# Altium PCB UltraZohm_ADC.PcbDoc (part 2 of 4) (continued)
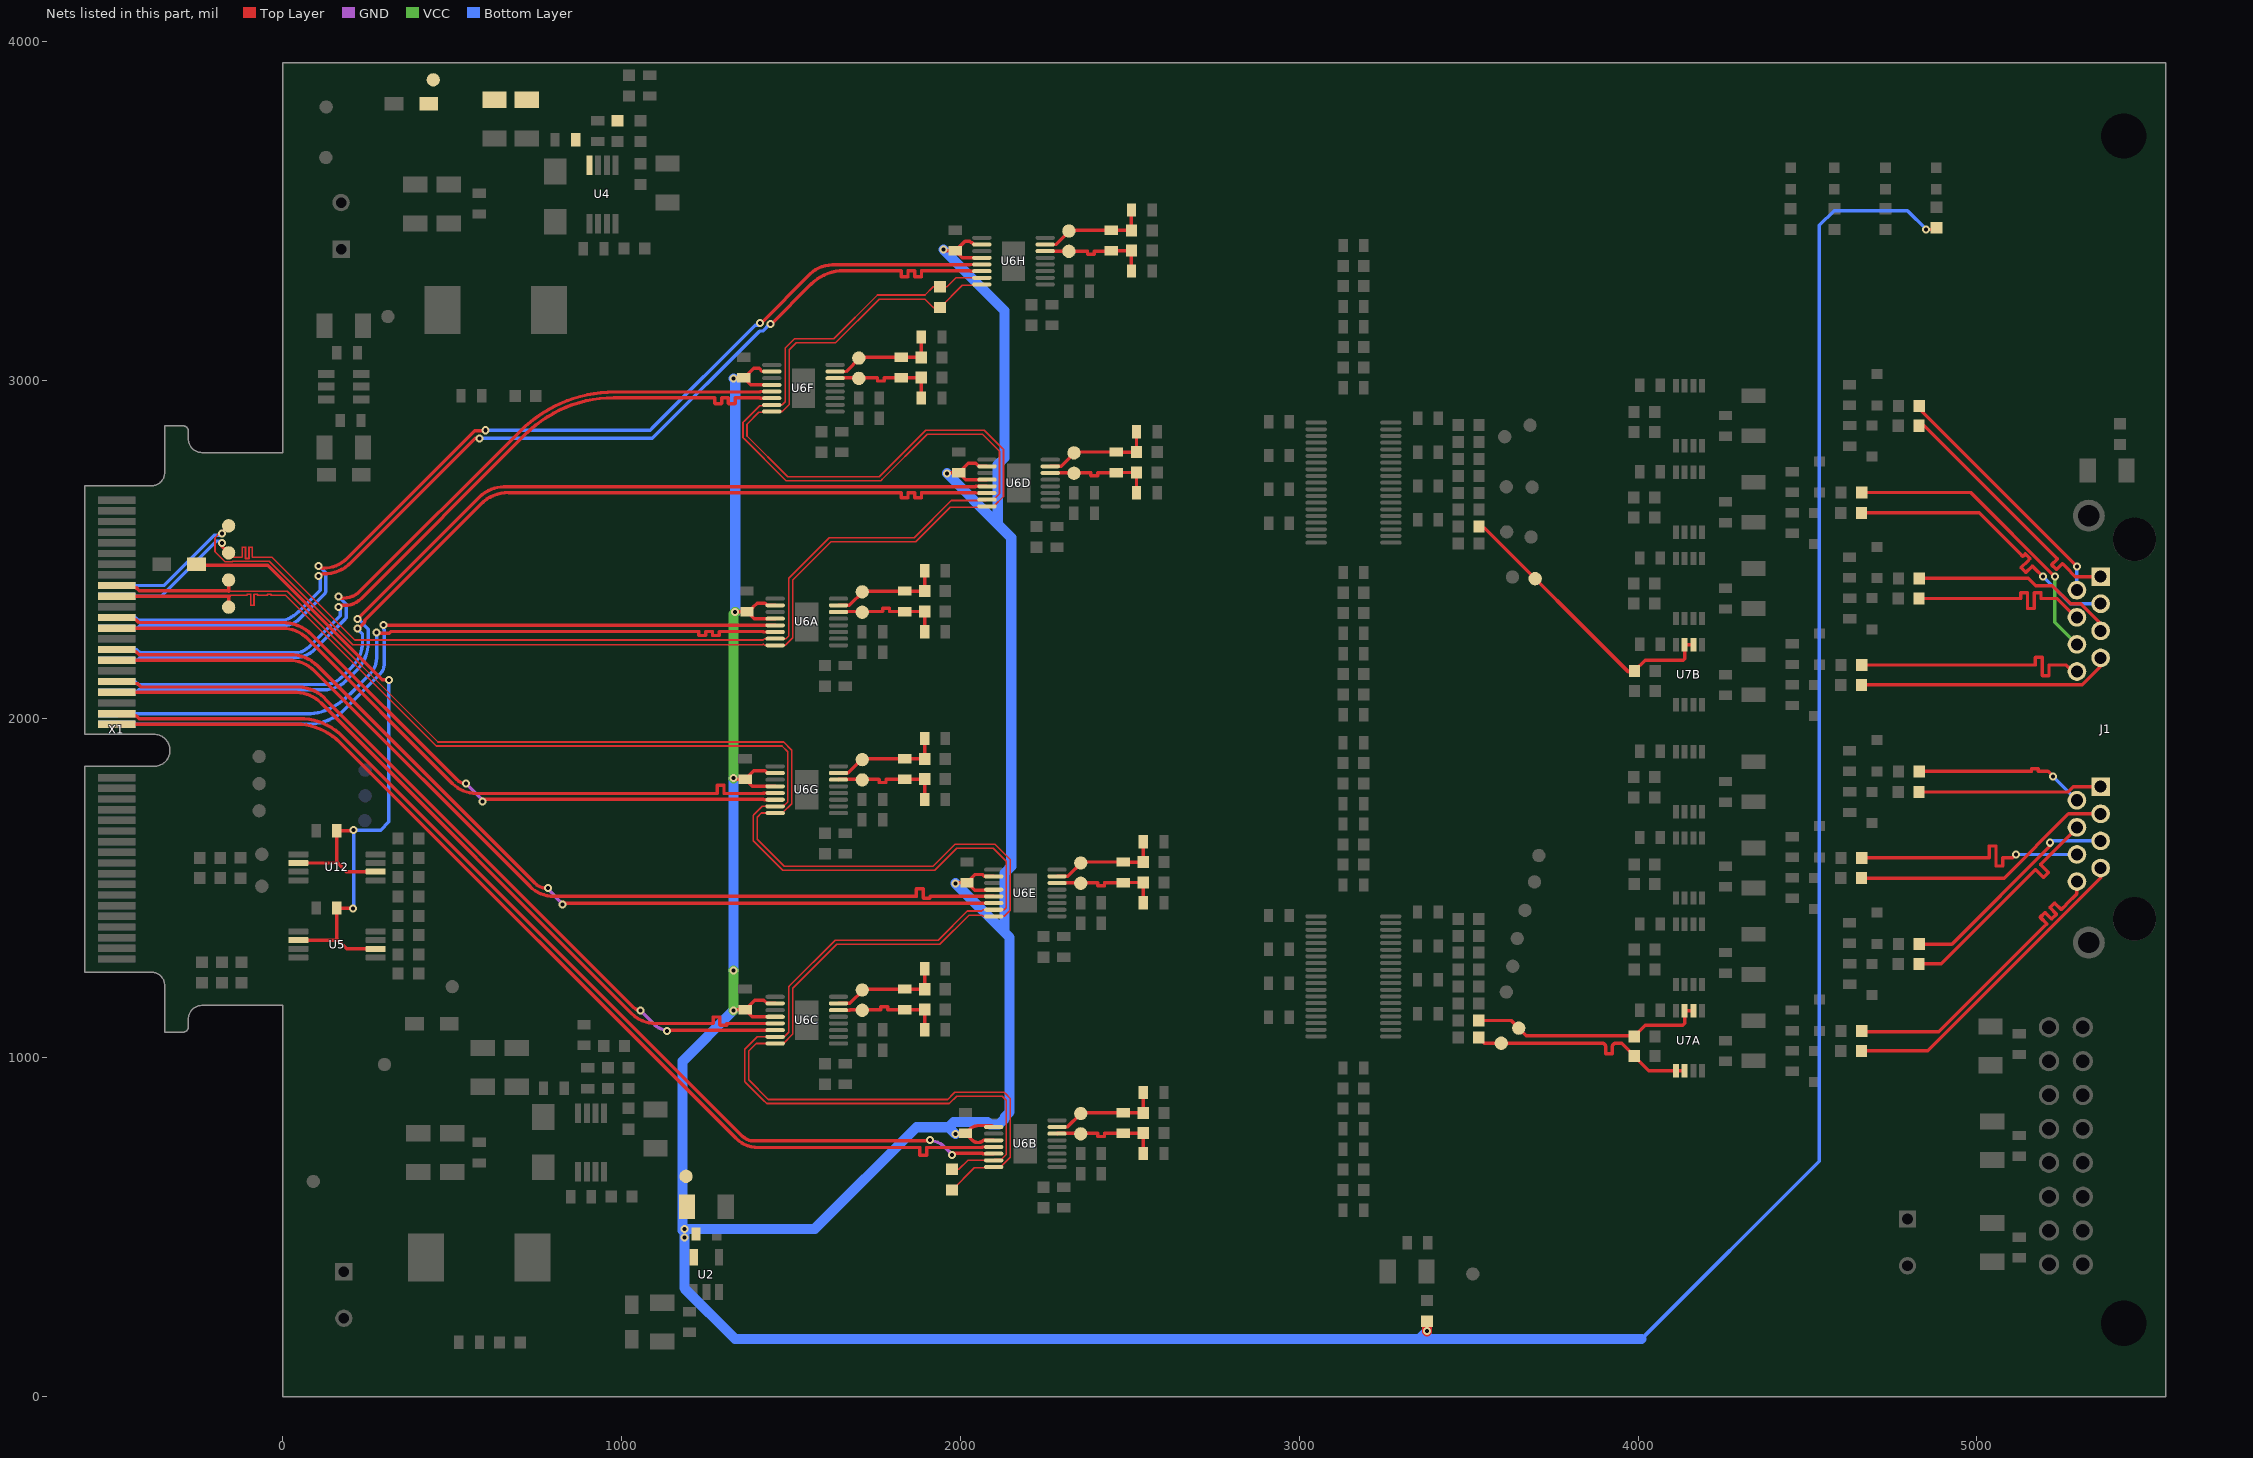
[diagram p4: the nets of this part, all layers, seen from the top]
## Via types
v1: diameter 23.62, hole 11.81, Top Layer to Bottom Layer, tented both sides, 333 vias
v2: diameter 17.72, hole 7.87, Top Layer to Bottom Layer, tented both sides, 127 vias
v3: diameter 19.68, hole 7.87, Top Layer to Bottom Layer, tented bottom, 48 vias
v4: diameter 23.62, hole 11.81, Top Layer to Bottom Layer, 3 vias

## Nets (pads, with @x,y where several pads share a name; then routed paths per layer and width w, separated by ;. In a path a pad name is that pad's centre, name@x,y a point inside that pad or via, vN(x,y) a via of type N, cw(c..) or ccw(c..) an arc to the next point about the centre after c; other vN are vias at no path point)
24V_N: C65.2 C66.2 C67.1 L5.2 R38.2 TP22.1 U4.8
+2.5V: C13.1 C14.2 C29A.1 C29B.1 C29C.1 C29D.1 C29E.1 C29F.1 C29G.1 C29H.1 R28.2 R33.2 TP16.1 U2.5 U6A.10 U6A.12 U6B.10 U6B.12 U6C.10 U6C.12 U6D.10 U6D.12 U6E.10 U6E.12 U6F.10 U6F.12 U6G.10 U6G.12 U6H.10 U6H.12 | length 15602
  Top Layer w10: v1(1330,1140) 1331.69,1141.69 C29C.1@1365,1141.69 ; v1(1330,1825) 1333.31,1821.69 C29G.1@1365,1821.69 ; v1(1330,3005) 1331.69,3006.69 C29F.1@1360,3006.69 ; v1(1335,2315) 1336.69,2316.69 C29A.1@1370,2316.69 ; U6F.12@1442.99,2985.94 1380.75,2985.94 C29F.1@1360,3006.69 ; U6F.10@1442.99,3025.31 1415.53,3025.31 1405.85,3035 1390,3035 1361.69,3006.69 C29F.1@1360,3006.69 ; U6C.12@1452.99,1120.94 1385.75,1120.94 C29C.1@1365,1141.69 ; U6C.10@1452.99,1160.31 1429.63,1160.31 1419.94,1170 1393.31,1170 C29C.1@1365,1141.69 ; U6G.12@1452.99,1800.94 1385.75,1800.94 C29G.1@1365,1821.69 ; U6G.10@1452.99,1840.31 1429.63,1840.31 1423.13,1846.81 1390.12,1846.81 C29G.1@1365,1821.69 ; U6A.12@1452.99,2295.94 1390.75,2295.94 C29A.1@1370,2316.69 ; U6A.10@1452.99,2335.31 1429.63,2335.31 1423.13,2341.81 1399.97,2341.81 1387.19,2329.03 1387.19,2328.03 1375.85,2316.69 C29A.1@1370,2316.69 ; v1(1950,3385) 1953.31,3381.69 C29H.1@1985,3381.69 ; v1(1960,2725) 1961.89,2726.89 C29D.1@1995,2726.89 ; v1(1985,775) 1987.05,777.05 C29B.1@2015,777.05 ; v1(1985,1515) 1986.69,1516.69 C29E.1@2019,1516.69 ; U6H.12@2062.99,3360.94 2005.75,3360.94 C29H.1@1985,3381.69 ; U6H.10@2062.99,3400.31 2039.03,3400.31 2033.29,3406.06 2031.5,3406.06 2027.56,3410 2013.31,3410 C29H.1@1985,3381.69 ; U6D.12@2077.99,2706.14 2015.75,2706.14 C29D.1@1995,2726.89 ; U6D.10@2077.99,2745.51 2054.63,2745.51 2045.14,2755 2023.11,2755 C29D.1@1995,2726.89 ; U6B.12@2097.99,756.3 2069.58,756.3 ccw(c2069.58,750.42) 2065.42,754.58 cw(c2054.37,765.63) 2054.37,750 2050,750 cw(c2050,769.2) 2036.43,755.62 C29B.1@2015,777.05 ; U6B.10@2097.99,795.67 ccw(c2087.54,785.21) 2087.54,800 2055,800 ccw(c2055,758.84) 2025.9,787.95 C29B.1@2015,777.05 ; U6E.12@2097.99,1495.94 2096.24,1494.19 2041.5,1494.19 C29E.1@2019,1516.69 ; U6E.10@2097.99,1535.31 2069.69,1535.31 2064,1541 2043.31,1541 C29E.1@2019,1516.69 ; v1(4850,3445) 4850.51,3444.49 R28.2@4880,3444.49
  Top Layer w30: v4(3377,193) R33.2@3377,222.49
  VCC w30: v1(1330,1140) v1(1330,1257) ; v1(1330,1825) 1330,2310 v1(1335,2315)
  Bottom Layer w10: 4009.91,170 4535,695.09 4535,3320 4535,3456.85 4578.15,3500 4795,3500 v1(4850,3445)
  Bottom Layer w30: v1@1180,490 1180,990 v1(1330,1140) ; v1(1330,1257) v1(1330,1825) ; v1(1330,3005) 1335,3000 v1(1335,2315) ; v1(1950,3385) 2130,3205 2130,2770 2110,2750 2110,2575 ; v1(1960,2725) 2110,2575 ; v1(1985,775) 1965,795 ; v1(1985,1515) 2130,1370 ; v4(3377,193) 3354,170 ; 4009.91,170 3354,170 ; 1965,795 1980,810 2080.01,810 2086.82,803.19 2113.18,803.19 2131.81,821.82 2131.81,826.81 2145,840 2145,1355 2130,1370 ; 1965,795 1870,795 1570,495 v1(1185,495) v1(1185,470) 1185,320 1335,170 3354,170 ; 2110,2575 2150,2535 2150,1565 2130,1545 2130,1370
+3.3V: C82.1 C83.1 L7.1 U5.2 U5.6 U12.2 U12.6 | length 2243.2
  Top Layer w10: L7.1@-254.82,2456.69 -251.44,2453.31 -44.38,2453.31 292.97,2115.97 v1@312.03,2115.97 ; U5.2@45.83,1347 163.02,1347 ; U12.2@45.83,1574.8 161.97,1574.8 ; v1(207,1441) 163.49,1441 162.49,1442 161.49,1441 160,1442.49 C82.1@159.51,1442 159.51,1350.51 163.02,1347 ; v1(209,1672) 207,1670 C83.1@159.33,1670 159.33,1577.43 161.97,1574.8 ; U5.6@274.17,1321.41 188.61,1321.41 163.02,1347 ; U12.6@274.17,1549.2 187.56,1549.2 161.97,1574.8
  Bottom Layer w10: v1(207,1441) 209,1443 v1(209,1672) 209.19,1671.81 288.89,1671.81 313,1695.93 v1(313,2115)
ACLK_N: R1.1 TP1.1 U6B.15 U6C.15 U6E.15 U6G.15 X1.19 | length 5858.7
  Top Layer w5: -160,2360.16 -155.16,2365 -110,2365 -105,2365 -105,2367.78 cw(c-104.5,2367.78) -104.5,2368.28 -95.5,2368.28 cw(c-95.5,2367.78) -95,2367.78 -95,2365 -95,2335.72 ccw(c-94.5,2335.72) -94.5,2335.22 -85.5,2335.22 ccw(c-85.5,2335.72) -85,2335.72 -85,2365 -85,2367.78 cw(c-84.5,2367.78) -84.5,2368.28 -75.5,2368.28 cw(c-75.5,2367.78) -75,2367.78 -75,2365 -60,2365 -55,2365 -45,2365 -45,2367.78 cw(c-44.5,2367.78) -44.5,2368.28 -35.5,2368.28 cw(c-35.5,2367.78) -35,2367.78 -35,2365 -13.49,2365 8.03,2365 453.03,1920 1473.03,1920 1490,1903.03 1490,1755 1476.89,1741.89 U6G.15@1452.99,1741.89 1414.92,1741.89 1391.51,1718.49 1388,1714.97 1388,1640.03 1475.03,1553 1923.97,1553 1988.97,1618 2097,1618 2135,1580 2135,1442.85 2129.04,1436.89 U6E.15@2097.99,1436.89 2066.95,1436.89 2063.11,1433.05 2020.03,1433.05 1933.98,1347 1630.03,1347 1496.51,1213.49 1493,1209.97 1493,1074.97 1481.51,1063.49 1456.4,1063.49 1455.49,1064.39 U6C.15@1452.99,1061.89 1399.92,1061.89 1366.51,1028.49 1363,1024.97 1363,930.03 1366.51,926.51 1416.51,876.51 1428.03,865 1966.97,865 1988.49,886.51 2123.49,886.51 2135,875 2135,714.42 2120.32,699.74 2100.49,699.74 U6B.15@2097.99,697.24 2021.95,697.24 1995.22,670.51 R1.1@1975,670.51
  Top Layer w10: X1.19@-490,2362.2 -157.96,2362.2 ; TP1.1@-160,2330 -160,2360.16
ACLK_P: R1.2 TP2.1 U6B.16 U6C.16 U6E.16 U6G.16 X1.17 | length 5855
  Top Layer w5: -160,2377.16 -159.84,2377 13,2377 458,1932 1478,1932 1502,1908 1502,1750.03 1474.18,1722.2 U6G.16@1452.99,1722.2 1412.2,1722.2 1400,1710 1400,1645 1480,1565 1919,1565 1982.51,1628.51 1984,1630 2101.97,1630 2106.97,1625 2147,1584.97 2147,1435.17 2129.04,1417.2 U6E.16@2097.99,1417.2 2066.95,1417.2 2063.11,1421.05 2025,1421.05 1938.95,1335 1635,1335 1505,1205 1505,1070 1475,1040 1475,1042.2 U6C.16@1452.99,1042.2 1397.2,1042.2 1375,1020 1375,935 1433,877 1962,877 1980,895 1983.51,898.51 2128.46,898.51 2131.97,895 2147,879.97 2147,706.74 2120.32,680.06 2100.49,680.06 U6B.16@2097.99,677.56 2095.49,675.06 2040.57,675.06 R1.2@1975,609.49
  Top Layer w10: X1.17@-490,2393.7 -484.17,2387.87 -433.35,2387.87 -423.94,2378.47 -160,2378.47 ; -160,2377.16 TP2.1@-160,2410
ADC_INA_N: C32A.2 C33A.1 R13A.2 TP21A.1 U6A.7 | length 331.8
  Top Layer w10: U6A.7@1640,2335.31 1672.23,2335.31 1714.12,2377.2 R13A.2@1894.49,2377.2 C33A.1@1894.49,2437.2
ADC_INA_P: C31A.2 C32A.1 R12A.2 TP20A.1 U6A.6 | length 331.8
  Top Layer w10: U6A.6@1640,2315.63 1641.57,2317.2 1760.51,2317.2 1769.51,2317.2 ccw(c1769.51,2318.2) 1770.51,2318.2 1770.51,2325.41 cw(c1771.51,2325.41) 1771.51,2326.41 1789.51,2326.41 cw(c1789.51,2325.41) 1790.51,2325.41 1790.51,2318.2 ccw(c1791.51,2318.2) 1791.51,2317.2 1800,2317.2 R12A.2@1894.49,2317.2 C31A.2@1894.49,2257.2
ADC_INB_N: C32B.2 C33B.1 R13B.2 TP21B.1 U6B.7 | length 332.3
  Top Layer w10: U6B.7@2285,795.67 2315.31,795.67 TP21B.1@2355,835.35 2357.72,838.07 C32B.2@2480,838.07 2480.51,837.56 R13B.2@2539.49,837.56 C33B.1@2539.49,897.56
ADC_INB_P: C31B.2 C32B.1 R12B.2 TP20B.1 U6B.6 | length 332.3
  Top Layer w10: U6B.6@2285,775.98 2286.06,777.05 2400,777.05 2404,777.05 cw(c2404,776.05) 2405,776.05 2405,768.63 ccw(c2406,768.63) 2406,767.63 2424,767.63 ccw(c2424,768.63) 2425,768.63 2425,776.05 cw(c2426,776.05) 2426,777.05 2435,777.05 C32B.1@2480,777.05 2480.51,777.56 R12B.2@2539.49,777.56 C31B.2@2539.49,717.56
ADC_INC_N: C32C.2 C33C.1 R13C.2 TP21C.1 U6C.7 | length 332.3
  Top Layer w10: U6C.7@1640,1160.31 1673.54,1160.31 1715.94,1202.72 C32C.2@1835,1202.72 1835.51,1202.2 R13C.2@1894.49,1202.2 C33C.1@1894.49,1262.2
ADC_INC_P: C31C.2 C32C.1 R12C.2 TP20C.1 U6C.6 | length 332.3
  Top Layer w10: U6C.6@1640,1140.63 1673.54,1140.63 1674.61,1141.69 1755,1141.69 1764,1141.69 ccw(c1764,1142.69) 1765,1142.69 1765,1150.11 cw(c1766,1150.11) 1766,1151.11 1784,1151.11 cw(c1784,1150.11) 1785,1150.11 1785,1142.69 ccw(c1786,1142.69) 1786,1141.69 1795,1141.69 C32C.1@1835,1141.69 1835.51,1142.2 R12C.2@1894.49,1142.2 C31C.2@1894.49,1082.2
ADC_IND_N: C32D.2 C33D.1 R13D.2 TP21D.1 U6D.7 | length 332.3
  Top Layer w10: U6D.7@2265,2745.51 2297.23,2745.51 2339.63,2787.91 C32D.2@2460,2787.91 2460.51,2787.4 R13D.2@2519.49,2787.4 C33D.1@2519.49,2847.4
ADC_IND_P: C31D.2 C32D.1 R12D.2 TP20D.1 U6D.6 | length 332.3
  Top Layer w10: U6D.6@2265,2725.83 2266.06,2726.89 2375,2726.89 2384,2726.89 cw(c2384,2725.89) 2385,2725.89 2385,2718.47 ccw(c2386,2718.47) 2386,2717.47 2404,2717.47 ccw(c2404,2718.47) 2405,2718.47 2405,2725.89 cw(c2406,2725.89) 2406,2726.89 2415,2726.89 C32D.1@2460,2726.89 2460.51,2727.4 R12D.2@2519.49,2727.4 C31D.2@2519.49,2667.4
ADC_INE_N: C32E.2 C33E.1 R13E.2 TP21E.1 U6E.7 | length 332.3
  Top Layer w10: U6E.7@2285,1535.31 2317.23,1535.31 2359.63,1577.72 C32E.2@2480,1577.72 2480.51,1577.2 R13E.2@2539.49,1577.2 C33E.1@2539.49,1637.2
ADC_INE_P: C31E.2 C32E.1 R12E.2 TP20E.1 U6E.6 | length 332.3
  Top Layer w10: U6E.6@2285,1515.63 2286.06,1516.69 2390,1516.69 2404,1516.69 cw(c2404,1515.69) 2405,1515.69 2405,1508.27 ccw(c2406,1508.27) 2406,1507.27 2424,1507.27 ccw(c2424,1508.27) 2425,1508.27 2425,1515.69 cw(c2426,1515.69) 2426,1516.69 2435,1516.69 C32E.1@2480,1516.69 2480.51,1517.2 R12E.2@2539.49,1517.2 C31E.2@2539.49,1457.2
ADC_INF_N: C32F.2 C33F.1 R13F.2 TP21F.1 U6F.7 | length 332.3
  Top Layer w10: U6F.7@1630,3025.31 1662.23,3025.31 1704.63,3067.72 C32F.2@1825,3067.72 1825.51,3067.2 R13F.2@1884.49,3067.2 C33F.1@1884.49,3127.2
ADC_INF_P: C31F.2 C32F.1 R12F.2 TP20F.1 U6F.6 | length 332.3
  Top Layer w10: U6F.6@1630,3005.63 1631.06,3006.69 1745,3006.69 1754,3006.69 cw(c1754,3005.69) 1755,3005.69 1755,2998.27 ccw(c1756,2998.27) 1756,2997.27 1774,2997.27 ccw(c1774,2998.27) 1775,2998.27 1775,3005.69 cw(c1776,3005.69) 1776,3006.69 1785,3006.69 C32F.1@1825,3006.69 1825.51,3007.2 R12F.2@1884.49,3007.2 C31F.2@1884.49,2947.2
ADC_ING_N: C32G.2 C33G.1 R13G.2 TP21G.1 U6G.7 | length 332.3
  Top Layer w10: U6G.7@1640,1840.31 1667.78,1840.31 1710.19,1882.72 C32G.2@1835,1882.72 1835.51,1882.2 R13G.2@1894.49,1882.2 C33G.1@1894.49,1942.2
ADC_ING_P: C31G.2 C32G.1 R12G.2 TP20G.1 U6G.6 | length 332.3
  Top Layer w10: U6G.6@1640,1820.63 1641.06,1821.69 1745,1821.69 1759,1821.69 cw(c1759,1820.69) 1760,1820.69 1760,1813.27 ccw(c1761,1813.27) 1761,1812.27 1779,1812.27 ccw(c1779,1813.27) 1780,1813.27 1780,1820.69 cw(c1781,1820.69) 1781,1821.69 1790,1821.69 C32G.1@1835,1821.69 1835.51,1822.2 R12G.2@1894.49,1822.2 C31G.2@1894.49,1762.2
ADC_INH_N: C32H.2 C33H.1 R13H.2 TP21H.1 U6H.7 | length 331.8
  Top Layer w10: U6H.7@2250,3400.31 2282.23,3400.31 2324.12,3442.2 R13H.2@2504.49,3442.2 C33H.1@2504.49,3502.2
ADC_INH_P: C31H.2 C32H.1 R12H.2 TP20H.1 U6H.6 | length 331.8
  Top Layer w10: U6H.6@2250,3380.63 2355,3380.63 2374,3380.63 cw(c2374,3379.63) 2375,3379.63 2375,3372.42 ccw(c2376,3372.42) 2376,3371.42 2394,3371.42 ccw(c2394,3372.42) 2395,3372.42 2395,3379.63 cw(c2396,3379.63) 2396,3380.63 2405,3380.63 2443.94,3380.63 C32H.1@2445,3381.69 2445.51,3382.2 R12H.2@2504.49,3382.2 C31H.2@2504.49,3322.2
AIN_A_N1: J1.A8 R66A.1 | length 945.9
  Top Layer w10: R66A.1@4659.51,1076.69 4887.69,1076.69 5199.19,1388.19 5205.56,1394.56 ccw(c5204.85,1395.26) 5205.56,1395.97 5187.51,1414.02 cw(c5188.21,1414.73) 5187.51,1415.44 5200.24,1428.16 cw(c5200.94,1427.46) 5201.65,1428.16 5219.7,1410.11 ccw(c5220.41,1410.82) 5221.11,1410.11 5233.84,1422.84 ccw(c5233.13,1423.55) 5233.84,1424.26 5215.79,1442.31 cw(c5216.5,1443.01) 5215.79,1443.72 5228.52,1456.45 cw(c5229.23,1455.74) 5229.93,1456.45 5247.98,1438.4 ccw(c5248.69,1439.11) 5249.4,1438.4 5262.83,1451.83 5264,1453 5294.31,1483.31 ; 5295,1484 J1.A8@5295,1520
AIN_A_N2: J1.A5 R68A.1 | length 668.7
  Top Layer w10: R68A.1@4829.51,1335.28 4926.24,1335.28 5215.42,1624.46 v1(5215.42,1634.58)
  Bottom Layer w10: v1@5215,1634.15 v1(5215.42,1634.58) 5215.42,1635.42 5220,1640 J1.A5@5365,1640
AIN_A_N3: J1.A6 R70A.1 | length 754.9
  Top Layer w10: R70A.1@4659.51,1590.25 5029,1590.25 5035,1590.25 ccw(c5035,1591.25) 5036,1591.25 5036,1624 cw(c5037,1624) 5037,1625 5055,1625 cw(c5055,1624) 5056,1624 5056,1590.25 5056,1567 ccw(c5057,1567) 5057,1566 5075,1566 ccw(c5075,1567) 5076,1567 5076,1589.25 cw(c5077,1589.25) 5077,1590.25 5086,1590.25 5105.25,1590.25 v1(5115,1600)
  Bottom Layer w10: v1(5115,1600) J1.A6@5295,1600
AIN_A_N4: J1.A2 R72A.1 | length 514.5
  Top Layer w10: R72A.1@4829.51,1845.28 5151,1845.28 5160,1845.28 ccw(c5160,1846.28) 5161,1846.28 5161,1852 cw(c5162,1852) 5162,1853 5180,1853 cw(c5180,1852) 5181,1852 5181,1846.28 ccw(c5182,1846.28) 5182,1845.28 5197,1845.28 5209.72,1845.28 v1(5225,1830)
  Bottom Layer w10: v1(5225,1830) J1.A2@5295,1760
AIN_A_P1: J1.A7 R65A.1 | length 946.5
  Top Layer w10: R65A.1@4659.02,1020.28 4854.33,1020.28 5365,1530.96 J1.A7@5365,1560
AIN_A_P2: J1.A4 R67A.1 | length 698.6
  Top Layer w10: R67A.1@4829.02,1277.28 4894.28,1277.28 5141.5,1524.5 5144.5,1527.5 5158.64,1541.64 5172.08,1555.08 cw(c5172.79,1554.37) 5173.49,1555.08 5195.54,1533.03 ccw(c5196.25,1533.74) 5196.96,1533.03 5209.69,1545.76 ccw(c5208.98,1546.46) 5209.69,1547.17 5187.64,1569.22 cw(c5188.34,1569.93) 5187.64,1570.64 5194,1577 5295,1678 J1.A4@5295,1680
AIN_A_P3: J1.A3 R69A.1 | length 784.6
  Top Layer w10: R69A.1@4659.02,1530.13 5080.13,1530.13 5270,1720 J1.A3@5365,1720
AIN_A_P4: J1.A1 R71A.1 | length 542.5
  Top Layer w10: R71A.1@4829.02,1784.28 5268.29,1784.28 5284,1800 J1.A1@5365,1800
AIN_B_N1: J1.B8 R66B.1 | length 750.1
  Top Layer w10: R66B.1@4659.51,2159.28 5162.5,2159.28 5171.5,2159.28 ccw(c5171.5,2160.28) 5172.5,2160.28 5172.5,2181 cw(c5173.5,2181) 5173.5,2182 5191.5,2182 cw(c5191.5,2181) 5192.5,2181 5192.5,2159.28 5192.5,2129 ccw(c5193.5,2129) 5193.5,2128 5211.5,2128 ccw(c5211.5,2129) 5212.5,2129 5212.5,2158.28 cw(c5213.5,2158.28) 5213.5,2159.28 5221,2159.28 5261.72,2159.28 5282.5,2138.5 5293.5,2138.5 J1.B8@5295,2140
AIN_B_N2: J1.B5 R68B.1 | length 612
  Top Layer w10: R68B.1@4829.51,2415.09 5151.91,2415.09 5173.5,2393.5 5222.62,2393.5 5276.12,2340 5306,2340 5365,2281 J1.B5@5365,2260
AIN_B_N3: J1.B6 R70B.1 | length 900.3
  Top Layer w10: R70B.1@4659.51,2668.28 4981.72,2668.28 v1(5230,2420)
  VCC w10: v1(5230,2420) 5230,2285 J1.B6@5295,2220
AIN_B_N4: J1.B2 R72B.1 | length 737.1
  Top Layer w10: R72B.1@4829.51,2924.28 4829.51,2915.49 v1(5295,2450)
  Bottom Layer w10: J1.B2@5295,2380 v1(5295,2450)
AIN_B_P1: J1.B7 R65B.1 | length 753.3
  Top Layer w10: R65B.1@4659.02,2101 5311,2101 5365,2155 J1.B7@5365,2180
AIN_B_P2: J1.B4 R67B.1 | length 613.7
  Top Layer w10: R67B.1@4829.02,2355.28 5119,2355.28 5128,2355.28 ccw(c5128,2356.28) 5129,2356.28 5129,2371.72 cw(c5130,2371.72) 5130,2372.72 5148,2372.72 cw(c5148,2371.72) 5149,2371.72 5149,2355.28 5149,2327 ccw(c5150,2327) 5150,2326 5168,2326 ccw(c5168,2327) 5169,2327 5169,2355.28 5169,2371.72 cw(c5170,2371.72) 5170,2372.72 5188,2372.72 cw(c5188,2371.72) 5189,2371.72 5189,2356.28 ccw(c5190,2356.28) 5190,2355.28 5204,2355.28 5236.8,2355.28 5292.08,2300 J1.B4@5295,2300
AIN_B_P3: J1.B3 R69B.1 | length 890.4
  Top Layer w10: R69B.1@4659.02,2608.28 5006.72,2608.28 5128,2487 5134.36,2480.64 ccw(c5135.07,2481.34) 5135.78,2480.64 5141.83,2486.69 cw(c5142.53,2485.98) 5143.24,2486.69 5155.97,2473.96 cw(c5155.26,2473.25) 5155.97,2472.54 5149.21,2465.79 5130.56,2447.13 ccw(c5131.26,2446.43) 5130.56,2445.72 5143.29,2432.99 ccw(c5143.99,2433.7) 5144.7,2432.99 5162.65,2450.94 cw(c5163.35,2450.23) 5164.06,2450.94 5171,2444 v1(5195,2420)
  Bottom Layer w10: v1(5195,2420) 5275,2340 J1.B3@5365,2340
AIN_B_P4: J1.B1 R71B.1 | length 767.4
  Top Layer w10: R71B.1@4829.02,2865.28 4844.72,2865.28 5216.5,2493.5 5223.57,2486.43 5237.01,2472.99 cw(c5236.3,2472.29) 5237.01,2471.58 5221.2,2455.77 ccw(c5221.9,2455.06) 5221.2,2454.36 5233.92,2441.63 ccw(c5234.63,2442.33) 5235.34,2441.63 5251.15,2457.44 cw(c5251.86,2456.73) 5252.56,2457.44 5261.5,2448.5 5290,2420 J1.B1@5365,2420
AOUT_N1: U6B.13 X1.43 | length 3139.4
  Top Layer w10: X1.43@-490,1984.25 54.52,1984.25 ; 54.52,1984.09 cw(c38,1801.03) 167.97,1931 ; 168.26,1931.29 1337.51,762.04 ; 1337.54,762 ccw(c1402.79,827.32) 1402.79,735 1825,735 1825.27,735.27 1850,735.27 1860,735.27 1879,735.27 cw(c1879,734.27) 1880,734.27 1880,712.74 ccw(c1881,712.74) 1881,711.74 1899,711.74 ccw(c1899,712.74) 1900,712.74 1900,734.27 cw(c1901,734.27) 1901,735.27 1910,735.27 2063.11,735.27 cw(c2066.35,732.03) 2066.35,736.61 U6B.13@2097.99,736.61
AOUT_N2: U6C.13 X1.37 | length 2384.7
  Top Layer w10: X1.37@-490,2078.45 41.62,2078.45 cw(c37.44,1972.26) 112.59,2047.41 1030,1130 ccw(c1099.39,1199.39) 1099.39,1101.26 1265,1101.26 1269,1101.26 ccw(c1269,1102.26) 1270,1102.26 1270,1119.39 cw(c1271,1119.39) 1271,1120.39 1289,1120.39 cw(c1289,1119.39) 1290,1119.39 1290,1101.26 1290,1097.26 ccw(c1291,1097.26) 1291,1096.26 1309,1096.26 ccw(c1309,1097.26) 1310,1097.26 1310,1100.26 cw(c1311,1100.26) 1311,1101.26 1320,1101.26 U6C.13@1452.99,1101.26
AOUT_N3: U6E.13 X1.31 | length 2920.9
  Top Layer w10: X1.31@-490,2173.23 17.54,2173.2 cw(c17.54,2066.33) 93.1,2141.9 729.45,1505.55 ccw(c800.16,1576.26) 800.16,1476.26 1860,1476.26 1869,1476.26 ccw(c1869,1477.26) 1870,1477.26 1870,1498.1 cw(c1871,1498.1) 1871,1499.1 1889,1499.1 cw(c1889,1498.1) 1890,1498.1 1890,1476.26 1890,1472.26 ccw(c1891,1472.26) 1891,1471.26 1909,1471.26 ccw(c1909,1472.26) 1910,1472.26 1910,1475.26 cw(c1911,1475.26) 1911,1476.26 1940,1476.26 U6E.13@2097.99,1476.26
AOUT_N4: U6G.13 X1.25 | length 2184.2
  Top Layer w10: X1.25@-490,2267.63 -1.82,2267.63 cw(c-1.82,2160.95) 73.62,2236.38 500.79,1809.21 ccw(c571.5,1879.92) 571.5,1779.92 1272,1779.92 1281,1779.92 ccw(c1281,1780.92) 1282,1780.92 1282,1803.64 cw(c1283,1803.64) 1283,1804.64 1301,1804.64 cw(c1301,1803.64) 1302,1803.64 1302,1780.92 ccw(c1303,1780.92) 1303,1779.92 1315,1779.92 1418.11,1779.92 cw(c1421.35,1776.68) 1421.35,1781.26 U6G.13@1452.99,1781.26
AOUT_P1: U6B.14 X1.41 | length 3117.2
  Top Layer w10: X1.41@-490,2015.75 -484.17,2009.92 -433.35,2009.92 -424.15,2000.73 64,2000.73 cw(c47.48,1817.67) 177.45,1947.64 1358,767.09 ; 1357.61,767.61 ccw(c1388.09,798.14) 1388.09,755 v1@1910,755 ; v1@1975,715 1975,715.37 1977.9,718.27 2063.11,718.27 ccw(c2066.35,721.51) 2066.35,716.93 U6B.14@2097.99,716.93
  GND w10: v1@1910,755 cw(c1910,694.64) 1952.68,737.32 v1@1975,715
  other v1: 1975,713 1910,758
AOUT_P2: U6C.14 X1.35 | length 2361
  Top Layer w10: X1.35@-490,2110.24 -484.17,2104.41 -428.51,2104.41 -418.24,2094.14 47.85,2094.14 cw(c43.41,1981.38) 128.29,2055.75 128.51,2055.53 1036.29,1147.75 ccw(c1055,1166.46) v1(1055,1140) ; v1@1135,1081.57 U6C.14@1452.99,1081.57
  GND w10: v1(1055,1140) 1098.17,1096.83 ccw(c1135,1133.66) v1@1135,1081.57
  other v1: 1134,1078.57
AOUT_P3: U6E.14 X1.29 | length 2898.2
  Top Layer w10: X1.29@-490,2204.72 -484.17,2198.9 -433.35,2198.9 -424.35,2189.9 21.43,2189.9 cw(c21.43,2074.72) 102.88,2156.16 744.22,1514.82 ccw(c780,1550.6) v1@780,1500 ; v1(825,1453) 828.57,1456.57 870,1456.57 U6E.14@2097.99,1456.57 ; v1@825,1455 v1@828.74,1458.74
  GND w10: v1@780,1500 v1@825,1455
  other v1: 783,1501
AOUT_P4: U6G.14 X1.23 | length 2160.5
  Top Layer w10: X1.23@-490,2299.21 -484.17,2293.39 -433.35,2293.39 -424.61,2284.65 -1.86,2284.65 cw(c-1.86,2160.91) 85.64,2248.4 512.76,1821.28 ccw(c540,1848.53) v1(540,1810) ; v1@590,1760 cw(c597.04,1752.96) 597.04,1762.92 605,1762.92 1418.11,1762.92 ccw(c1421.35,1766.16) 1421.35,1761.57 U6G.14@1452.99,1761.57
  GND w10: v1(540,1810) v1@590,1760
  other v1: 590,1757
BCLK_N: R2.1 TP3.1 U6A.15 U6D.15 U6F.15 U6H.15 X1.20 | length 5256.9
  Top Layer w5: TP3.1@-160,2490 -147,2477 -125,2477 -120,2477 -120,2506.5 cw(c-119.5,2506.5) -119.5,2507 -110.5,2507 cw(c-110.5,2506.5) -110,2506.5 -110,2477 -110,2474 ccw(c-109.5,2474) -109.5,2473.5 -100.5,2473.5 ccw(c-100.5,2474) -100,2474 -100,2477 -100,2506.5 cw(c-99.5,2506.5) -99.5,2507 -90.5,2507 cw(c-90.5,2506.5) -90,2506.5 -90,2477 -75,2477 -32,2477 211.95,2233.05 1418.11,2233.05 1421.95,2236.89 U6A.15@1452.99,2236.89 1484.92,2236.89 1493,2244.97 1493,2414.97 1496.51,2418.49 1613.03,2535 1863.03,2535 1972.62,2644.59 2075.49,2644.59 U6D.15@2077.99,2647.09 2080.49,2649.59 2100.32,2649.59 2115,2664.26 2115,2790 2065,2840 1901.97,2840 1768.49,2706.51 1764.97,2703 1485.03,2703 1481.51,2706.51 1361.51,2826.51 1358,2830.03 1358,2874.97 1361.51,2878.49 1407.42,2924.39 1440.49,2924.39 U6F.15@1442.99,2926.89 1474.04,2926.89 1483,2935.85 1483,3094.97 1510.03,3122 1626.03,3122 1755.03,3251 1895.27,3251 1919.78,3275.51 R2.1@1940,3275.51 1960.22,3275.51 1986.59,3301.89 U6H.15@2062.99,3301.89
  Top Layer w10: v1(-180,2519.19) -180,2510 TP3.1@-160,2490
  Bottom Layer w10: X1.20@-511.49,2362.2 X1.20@-490,2362.2 -358.75,2362.2 -195.96,2525 -185.81,2525 v1(-180,2519.19)
BCLK_P: R2.2 TP4.1 U6A.16 U6D.16 U6F.16 U6H.16 X1.18 | length 5258.5
  Top Layer w5: v1(-180,2547.81) -187.19,2547.81 -200,2535 -200,2493.68 -170.64,2464.31 -149.36,2464.31 -148.68,2465 -40.51,2465 205.95,2218.55 1415.61,2218.55 1418.11,2221.05 1421.95,2217.2 U6A.16@1452.99,2217.2 1484.04,2217.2 1484.04,2219.04 1505,2240 1505,2410 1618,2523 1868,2523 1969.9,2624.9 2075.49,2624.9 U6D.16@2077.99,2627.4 2097.82,2627.4 2127,2656.58 2127,2794.97 2123.49,2798.49 2069.97,2852 1897,2852 1760,2715 1490,2715 1370,2835 1370,2870 1404.7,2904.7 1440.49,2904.7 U6F.16@1442.99,2907.2 1474.04,2907.2 1495,2928.17 1495,3090 1515,3110 1631,3110 1760,3239 1895.27,3239 1919.78,3214.49 R2.2@1940,3214.49 2005.22,3279.7 2060.49,3279.7 U6H.16@2062.99,3282.2
  Top Layer w10: v1(-180,2547.81) -180,2550 TP4.1@-160,2570
  Bottom Layer w10: X1.18@-511.49,2393.7 X1.18@-490,2393.7 -351.3,2393.7 -203,2542 -185.81,2542 v1(-180,2547.81)
BOUT_N1: U6A.13 X1.44 | length 2136.2
  Top Layer w10: v1@297,2276.26 U6A.13@1452.99,2276.26
  Bottom Layer w10: X1.44@-490,1984.25 72.9,1984.25 ccw(c72.9,2146.05) 172.04,2018.19 ; 172.08,2018.16 289.25,2135.32 ; 289.07,2135.5 ccw(c265.57,2159) 298.81,2159 298.81,2263.8 297,2265.61 v1(297,2277)
BOUT_N2: U6D.13 X1.38 | length 2921.4
  Top Layer w10: v1(220,2295) 220.96,2295 581.78,2655.82 cw(c652.49,2585.11) 652.49,2685.11 2043.11,2685.11 2044.45,2686.46 U6D.13@2077.99,2686.46
  Bottom Layer w10: X1.38@-490,2078.74 -432.88,2078.74 -425.62,2086 121.07,2086 ccw(c121.07,2180.08) 187.63,2113.59 217.73,2143.69 ccw(c135,2226.42) 252,2226.42 252,2265.22 222.22,2295 v1(220,2295)
BOUT_N3: U6F.13 X1.32 | length 2309.7
  Top Layer w10: v1(165,2361) 169.41,2356.59 179.12,2356.59 ccw(c179.12,2425.16) 227.6,2376.67 700.52,2849.62 ; 700.77,2849.4 cw(c979.64,2570.53) 979.64,2964.92 1408.11,2964.92 1409.45,2966.26 U6F.13@1442.99,2966.26
  Bottom Layer w10: X1.32@-490,2173.23 -430.24,2173.23 -421.47,2182 37.92,2182 ccw(c37.87,2262.08) 94.5,2205.45 182.02,2292.98 187,2297.96 187,2339 v1(165,2361)
BOUT_N4: U6H.13 X1.26 | length 3069.9
  Top Layer w10: v1(105,2450.81) ccw(c119.03,2464.84) 119.03,2445 120,2445 ccw(c120,2543.88) 189.92,2473.96 ; 183.92,2468.57 566.35,2851 v1@593,2851 ; v1@1410.08,3166.92 1556.78,3313.63 ; 1557,3313.41 cw(c1621,3249.41) 1621,3339.92 2028.11,3339.92 2029.45,3341.26 U6H.13@2062.99,3341.26
  Bottom Layer w10: X1.26@-490,2267.72 -430.02,2267.72 -422.74,2275 0.81,2275 ccw(c0.81,2343.16) 49,2294.96 122.02,2367.98 ccw(c110,2380) 127,2380 127,2431.03 107.22,2450.81 v1(105,2450.81) ; v1(598,2852) 1084,2852 1093.57,2861.57 1393.85,3161.85 1402.85,3161.85 v1(1409,3168)
BOUT_P1: U6A.14 X1.42 | length 2135.3
  Top Layer w10: v1(277,2254.76) 284.76,2254.76 286.33,2253.19 314.03,2253.19 318.76,2257.92 1198,2257.92 1208,2257.92 1227,2257.92 cw(c1227,2256.92) 1228,2256.92 1228,2247.32 ccw(c1229,2247.32) 1229,2246.32 1247,2246.32 ccw(c1247,2247.32) 1248,2247.32 1248,2256.92 cw(c1249,2256.92) 1249,2257.92 1267,2257.92 cw(c1267,2256.92) 1268,2256.92 1268,2247.32 ccw(c1269,2247.32) 1269,2246.32 1287,2246.32 ccw(c1287,2247.32) 1288,2247.32 1288,2256.92 cw(c1289,2256.92) 1289,2257.92 1305,2257.92 1418.11,2257.92 1419.45,2256.57 U6A.14@1452.99,2256.57
  Bottom Layer w10: X1.42@-490,2015.75 82.97,2015.75 ccw(c82.97,2115.25) 122.65,2024 ; 123,2024 ccw(c46.24,2222.54) 196.78,2072.05 ; 198.39,2073.63 256.88,2132.12 ; 257,2132 ccw(c209.29,2179.71) 276.76,2179.71 ; 277,2179.71 v1(277,2254.76)
BOUT_P2: U6D.14 X1.36 | length 2924.1
  Top Layer w10: v1(220,2266.38) 222.22,2266.38 241.81,2285.97 241.81,2291.81 583.85,2633.85 cw(c666.58,2551.11) 666.58,2668.11 1805,2668.11 1824,2668.11 cw(c1824,2667.11) 1825,2667.11 1825,2653.9 ccw(c1826,2653.9) 1826,2652.9 1844,2652.9 ccw(c1844,2653.9) 1845,2653.9 1845,2667.11 cw(c1846,2667.11) 1846,2668.11 1864,2668.11 cw(c1864,2667.11) 1865,2667.11 1865,2653.9 ccw(c1866,2653.9) 1866,2652.9 1884,2652.9 ccw(c1884,2653.9) 1885,2653.9 1885,2667.11 cw(c1886,2667.11) 1886,2668.11 1895,2668.11 2043.11,2668.11 2044.45,2666.77 U6D.14@2077.99,2666.77
  Bottom Layer w10: X1.36@-490,2110.24 -435.85,2110.24 -427.27,2101.65 122.65,2101.65 ccw(c122.65,2171.67) 172.19,2122.19 205.71,2155.71 ccw(c135,2226.42) 235,2226.42 235,2251.38 v1(220,2266.38)
BOUT_P3: U6F.14 X1.30 | length 2315.8
  Top Layer w10: v1(165,2330) 170,2335 183,2335 ccw(c183,2402.6) 230.8,2354.8 715.99,2839.99 cw(c976.55,2579.43) 976.55,2947.92 1275,2947.92 1275,2931.61 ccw(c1276,2931.61) 1276,2930.61 1294,2930.61 ccw(c1294,2931.61) 1295,2931.61 1295,2946.92 cw(c1296,2946.92) 1296,2947.92 1314,2947.92 cw(c1314,2946.92) 1315,2946.92 1315,2931.61 ccw(c1316,2931.61) 1316,2930.61 1334,2930.61 ccw(c1334,2931.61) 1335,2931.61 1335,2946.92 cw(c1336,2946.92) 1336,2947.92 1345,2947.92 1408.11,2947.92 1409.45,2946.57 U6F.14@1442.99,2946.57
  Bottom Layer w10: X1.30@-490,2204.72 -430.69,2204.72 -421.47,2195.5 37.99,2195.5 ccw(c37.87,2262.08) 53.72,2197.41 ccw(c11.76,2288.19) 54.71,2197.88 ccw(c11.76,2288.19) 82.47,2217.47 170,2305 170,2325 v1(165,2330)
BOUT_P4: U6H.14 X1.24 | length 3068.2
  Top Layer w10: v1(105,2422.19) cw(c119.03,2408.16) 119.03,2428 120,2428 ccw(c120,2543.88) 201.94,2461.94 568,2828 v1(580,2828) ; v1@1440.81,3165.19 1557.91,3282.29 cw(c1656,3184.2) 1656,3322.92 1795,3322.92 1824,3322.92 cw(c1824,3321.92) 1825,3321.92 1825,3306.1 ccw(c1826,3306.1) 1826,3305.1 1844,3305.1 ccw(c1844,3306.1) 1845,3306.1 1845,3321.92 cw(c1846,3321.92) 1846,3322.92 1864,3322.92 cw(c1864,3321.92) 1865,3321.92 1865,3306.1 ccw(c1866,3306.1) 1866,3305.1 1884,3305.1 ccw(c1884,3306.1) 1885,3306.1 1885,3321.92 cw(c1886,3321.92) 1886,3322.92 1895,3322.92 2028.11,3322.92 2029.45,3321.57 U6H.14@2062.99,3321.57
  Bottom Layer w10: X1.24@-490,2299.21 -434.69,2299.21 -427.3,2291.83 6.08,2291.83 ccw(c-26.11,2390) 46.94,2316.94 110,2380 110,2417.19 v1(105,2422.19) ; v1(580,2828) 1090,2828 1406.85,3144.85 1416.69,3144.85 1437.85,3166 v1(1440,3166)
Buffer1A_N: R16A.2 R23A.2 TP25A.1 U7A.6 U7A.7 | length 701.8
  Top Layer w10: R23A.2@3530,1110 3625,1110 3670,1065 R16A.2@3986.32,1065 ; R16A.2@3988.49,1063.82 4020.67,1096 4131.35,1096 4137.2,1101.86 U7A.7@4137.2,1138.58 U7A.6@4162.8,1138.58
Buffer1A_P: R15A.2 R20A.1 TP24A.1 U7A.1 U7A.2 | length 701.8
  Top Layer w10: R20A.1@3530,1060 3530,1059.02 3546.02,1043 3811,1043 3863.1,1043 3894,1043 cw(c3894,1033) 3904,1033 3904,1013.29 ccw(c3905,1013.29) 3905,1012.29 3923,1012.29 ccw(c3923,1013.29) 3924,1013.29 3924,1033 cw(c3934,1033) 3934,1043 3939,1043 3951.51,1043 3988.49,1006.03 R15A.2@3988.49,1005.04 3988.49,1004.06 4031.13,961.42 U7A.1@4111.61,961.42 U7A.2@4137.2,961.42
Buffer1B_N: R16B.2 R23B.2 TP25B.1 U7B.6 U7B.7 | length 867.6
  Top Layer w10: R23B.2@3530.51,2567.4 3535.51,2562.4 3547.6,2562.4 3971.5,2138.5 3986.5,2138.5 R16B.2@3988.99,2140.99 3988.99,2141.98 4020.68,2173.67 4133.15,2173.67 4137.2,2177.72 U7B.7@4137.2,2218.58 U7B.6@4162.8,2218.58